# Altium PCB cPCIs_controller.pcbdoc (part 4 of 4)
Units mil, origin at the board's own origin, x right, y up, seen from the top; angles counter-clockwise.
Board outline 8662.94 x 3937.01 mil, 12 copper layers (Top Layer, L2GND, L3, L4GND, L5, L6GND, L7PWR, L8, L9GND, L10, L11GND, Bottom Layer), stack 81.88 mil thick; 84 components, 277 nets, 1195 pads, 138 vias.
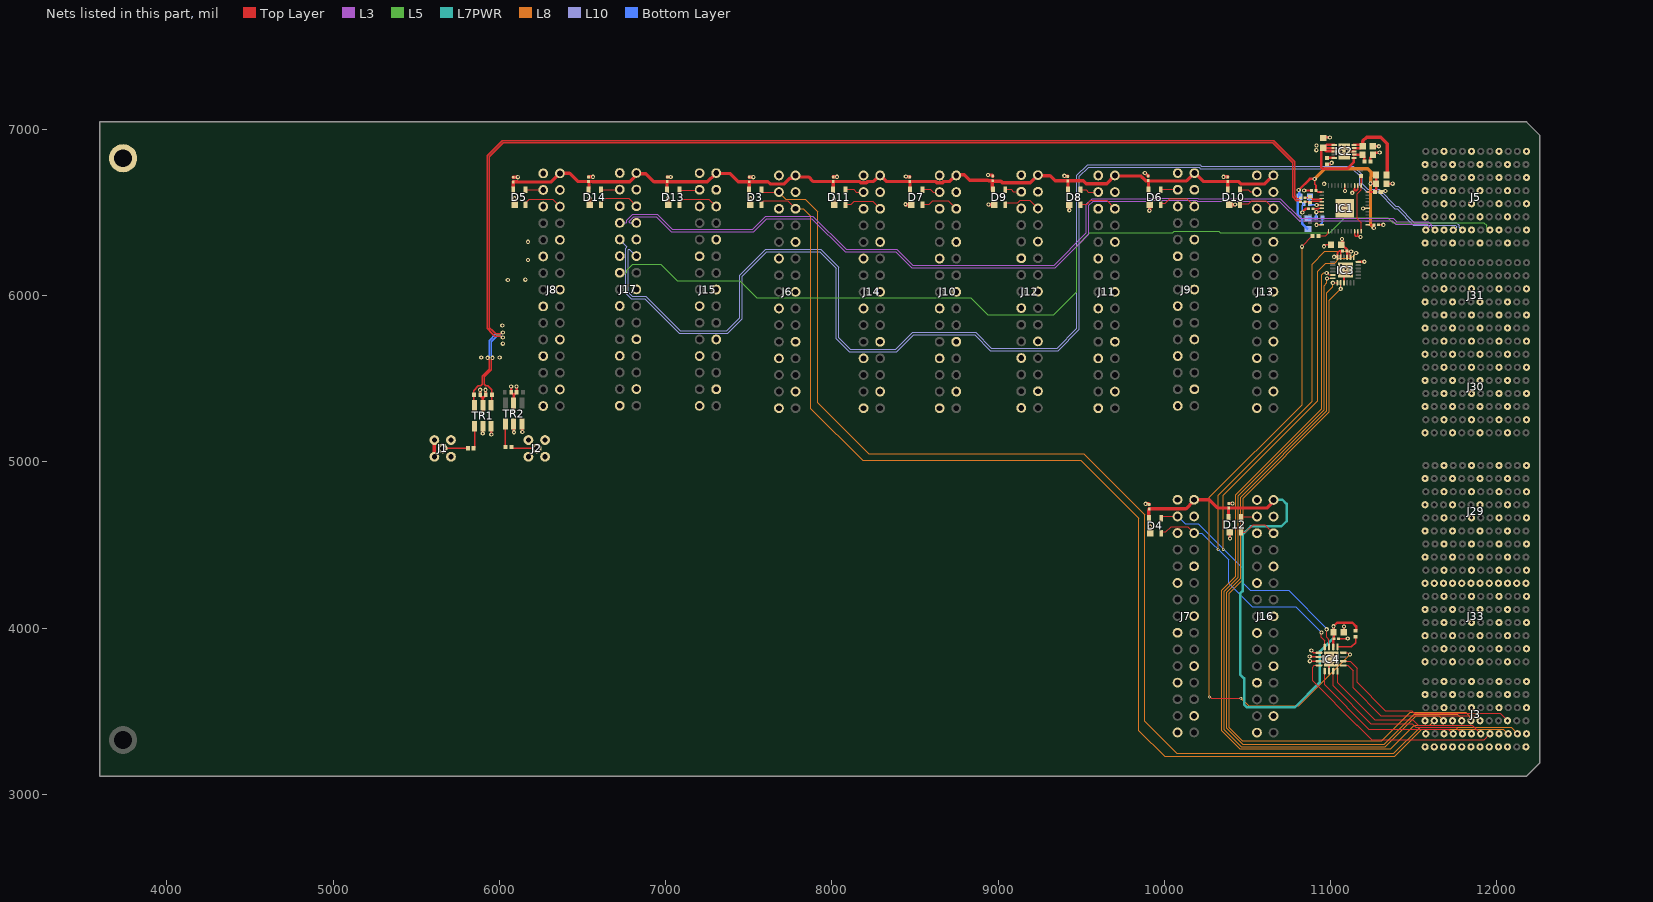
[diagram p14: the nets of this part, all layers, seen from the top]

## Via types
v1: diameter 25.59, hole 11.81, Top Layer to Bottom Layer, tented both sides, 116 vias
v2: diameter 17.72, hole 7.87, Top Layer to Bottom Layer, tented both sides, 18 vias
v3: diameter 19.68, hole 7.87, Top Layer to Bottom Layer, tented both sides, 4 vias

## Nets (pads, with @x,y where several pads share a name; then routed paths per layer and width w, separated by ;. In a path a pad name is that pad's centre, name@x,y a point inside that pad or via, vN(x,y) a via of type N, cw(c..) or ccw(c..) an arc to the next point about the centre after c; other vN are vias at no path point) (continued)
EXT11.LVDS_5_P: J5.E2 J17.17 | length 5838.3
  L5 w5: J17.17@6724,6138 6763.57,6138 6766.5,6140.93 6766.5,6154.08 6802.45,6190.03 6969.97,6190.03 7070,6090 7445,6090 7548,5987 8836,5987 8938,5885 9334,5885 9474,6025 9474,6298.78 9553.22,6378 10050.48,6378 10060.05,6387.57 10328.56,6387.57 10338.13,6378 10994.79,6378 11086.79,6470 11346,6470 11376.18,6439.82 11922.37,6439.82 11939.14,6423.05 11939.14,6412.7 11956.17,6395.67 J5.E2@11959.2,6395.67
EXT11.LVDS_6_N: J5.I2 J17.21 | length 7583.2
  L10 w5: J17.21@6724,6338 6766.63,6295.37 6766.63,6291.23 6759.3,6283.91 6759.3,6267.34 6759.57,6267.07 6759.57,6013.69 6792.79,5980.48 6875.31,5980.48 7083.21,5772.57 7372.79,5772.57 7460,5859.79 7460,6117 7608,6265 7926,6265 8027,6164 8027,5740.79 8104.79,5663 8390,5663 8492,5765 8858.79,5765 8953.79,5670 9361.21,5670 9489,5797.79 9489,6717 9544.57,6772.57 10209.5,6772.57 10217.07,6765 11131,6765 11176,6720 11176,6665.79 11217.79,6624 11287,6624 11387.61,6523.39 11400.39,6523.39 11498.96,6424.82 11750.81,6424.82 11758.79,6416.84 11758.79,6412.7 11741.76,6395.67 J5.I2@11738.73,6395.67
EXT11.LVDS_6_P: J5.H2 J17.20 | length 7570.8
  L10 w5: J17.20@6824,6238 6781.37,6280.63 6777.23,6280.63 6774.3,6277.7 6774.3,6273.55 6774.57,6273.29 6774.57,6019.91 6799,5995.48 6881.52,5995.48 7089.43,5787.57 7366.57,5787.57 7445,5866 7445,6123.21 7601.79,6280 7932.21,6280 8042,6170.21 8042,5747 8111,5678 8383.79,5678 8485.79,5780 8865,5780 8960,5685 9355,5685 9474,5804 9474,6723.21 9538.36,6787.57 10215.71,6787.57 10223.28,6780 11137.21,6780 11191,6726.21 11191,6672 11224,6639 11293.21,6639 11393.82,6538.39 11406.61,6538.39 11505.18,6439.82 11757.02,6439.82 11773.79,6423.05 11773.79,6412.7 11790.82,6395.67 J5.H2@11793.85,6395.67
EXT11.LVDS_7_N: J5.L2 J17.24 | length 5430.6
  L3 w5: J17.24@6824,6438 6784.43,6438 6781.5,6440.93 6781.5,6447.86 6808.66,6475.03 6942.76,6475.03 7033.79,6384 7530,6384 7610,6464 7879.79,6464 8079.79,6264 8385.79,6264 8480.79,6169 9345,6169 9547,6371 9547,6543 9573.15,6569.15 9908.16,6569.15 9911.58,6572.57 10195.73,6572.57 10199.16,6569.15 10692.64,6569.15 10811.79,6450 11371.79,6450 11392.79,6429 11581.27,6429 11593.43,6416.84 11593.43,6412.7 11576.41,6395.67 J5.L2@11573.38,6395.67
EXT11.LVDS_7_P: J5.K2 J17.23 | length 5480.3
  L3 w5: J17.23@6724,6438 6763.57,6438 6766.5,6440.93 6766.5,6454.08 6802.45,6490.03 6948.97,6490.03 7040,6399 7523.79,6399 7603.79,6479 7886,6479 8086,6279 8392,6279 8487,6184 9338.79,6184 9532,6377.21 9532,6549.21 9566.94,6584.15 9901.94,6584.15 9905.36,6587.57 10201.95,6587.57 10205.37,6584.15 10698.85,6584.15 10818,6465 11378,6465 11399,6444 11587.49,6444 11608.43,6423.05 11608.43,6412.7 11625.46,6395.67 J5.K2@11628.49,6395.67
GND: C1.2 C2.1 C3.1 C4.1 C5.1 C6.1 C7.1 C8.1 C10.2 C11.1 C13.2 C30.1 C31.1 C32.1 C33.1 C34.1 C35.1 C36.1 C37.1 C39.1 C40.1 C41.1 C42.1 C55.1 C62.1 C238.1 C239.1 C240.1 D3.1 D4.1 D5.1 D6.1 D7.1 D8.1 D9.1 D10.1 D11.1 D12.1 D13.1 D14.1 IC1.2 IC1.3 IC1.6 IC1.22 IC1.31 IC1.32 IC1.39 IC1.45 IC2.8 IC2.11 IC3.9 IC3.23 IC3.24 IC3.25 IC4.1 IC4.2 IC4.3 IC4.6 IC4.17 J1.2 J2.2 J3.A2 J3.A4 J3.A6 J3.C1 J3.C5 J3.D2 J3.D4 J3.D6 J3.F1 J3.F5 J3.G2 J3.G4 J3.G6 J3.I1 J3.I3 J3.I5 J3.J2 J3.J4 J3.J6 J3.L1 J3.L2 J3.L3 J3.L5 J5.A2 J5.A4 J5.A6 J5.A8 J5.C1 J5.C3 J5.C5 J5.C7 J5.D2 J5.D4 J5.D6 J5.D8 J5.F1 J5.F3 J5.F5 J5.F7 J5.G2 J5.G4 J5.G6 J5.G8 J5.I1 J5.I3 J5.I5 J5.I7 J5.J2 J5.J4 J5.J6 J5.J8 J5.L1 J5.L3 J5.L5 J5.L7 J6.1 J6.4 J6.7 J6.10 J6.13 J6.16 J6.19 J6.22 J6.25 J7.1 J7.4 J7.7 J7.10 J7.13 J7.16 J7.19 J7.22 J7.25 J8.1 J8.4 J8.7 J8.10 J8.13 J8.16 J8.19 J8.22 J8.25 J9.1 J9.4 J9.7 J9.10 J9.13 J9.16 J9.19 J9.22 J9.25 J10.1 J10.4 J10.7 J10.10 J10.13 J10.16 J10.19 J10.22 J10.25 J11.1 J11.4 J11.7 J11.10 J11.13 J11.16 J11.19 J11.22 J11.25 J12.1 J12.4 J12.7 J12.10 J12.13 J12.16 J12.19 J12.22 J12.25 J13.1 J13.4 J13.7 J13.10 J13.13 J13.16 J13.19 J13.22 J13.25 J14.1 J14.4 J14.7 J14.10 J14.13 J14.16 J14.19 J14.22 J14.25 J15.1 J15.4 J15.7 J15.10 J15.13 J15.16 J15.19 J15.22 J15.25 J16.1 J16.4 J16.7 J16.10 J16.13 J16.16 J16.19 J16.22 J16.25 J17.1 J17.4 J17.7 J17.10 J17.13 J17.16 J17.19 J17.22 J17.25 J29.A2 J29.A4 J29.A6 J29.A8 J29.C1 J29.C3 J29.C5 J29.C7 J29.D2 J29.D4 J29.D6 J29.D8 J29.F1 J29.F3 J29.F5 J29.F7 J29.G2 J29.G4 J29.G6 J29.G8 J29.I1 J29.I3 J29.I5 J29.I7 J29.J2 J29.J4 J29.J6 J29.J8 J29.L1 J29.L3 J29.L5 J29.L7 J30.A2 J30.A4 J30.A6 J30.A8 J30.C1 J30.C3 J30.C5 J30.C7 J30.D2 J30.D4 J30.D6 J30.D8 J30.F1 J30.F3 J30.F5 J30.F7 J30.G2 J30.G4 J30.G6 J30.G8 J30.I1 J30.I3 J30.I5 J30.I7 J30.J2 J30.J4 J30.J6 J30.J8 J30.L1 J30.L3 J30.L5 J30.L7 J31.A2 J31.A4 J31.C1 J31.C3 J31.D2 J31.D4 J31.F1 J31.F3 J31.G2 J31.G4 J31.I1 J31.I3 J31.J2 J31.J4 J31.L1 J31.L3 J33.A2 J33.A4 J33.A6 J33.A7 J33.A8 J33.B7 J33.C1 J33.C3 J33.C5 J33.C7 J33.D2 J33.D4 J33.D6 J33.D7 J33.D8 J33.E7 J33.F1 J33.F3 J33.F5 J33.F7 J33.G2 J33.G4 J33.G6 J33.G7 J33.G8 J33.H7 J33.I1 J33.I3 J33.I5 J33.I7 J33.J2 J33.J4 J33.J6 J33.J7 J33.J8 J33.K7 J33.L1 J33.L3 J33.L5 J33.L7 pad.P13@3736.02,6826.77 R1.2 R2.1 R65.2 R86.2 TR1.1 TR1.2 TR1.5 TR2.1 TR2.2 TR2.5 | length 2729.3
  Top Layer w10: v1(10842,6633) C238.1@10885.22,6633 ; v1(10875,3829) 10877.2,3826.8 IC4.2@10931.17,3826.8 ; v1(10876,3801) 10876.2,3801.2 IC4.3@10931.17,3801.2 ; v1(10885,3865) 10897.61,3852.39 IC4.1@10931.17,3852.39 ; v1(10916,6426) 10916.63,6426.63 IC1.22@10948.41,6426.63 ; v1(10961,6297) 10971,6307 C5.1@11002.5,6307 ; v1(11022.1,6234) 11038.56,6234 IC3.24@11041.79,6230.77 ; IC3.24@11041,6237 11042,6238 11042,6258 11053,6269 C4.1@11071.22,6269 ; C6.1@11047.78,3936 11103,3936 v1(11104,3937) ; IC3.23@11061.47,6230.77 11061.47,6267.47 11062,6268 ; IC3.25@11080,6119 11081.16,6117.84 IC3.9@11081.16,6077.23 ; C7.1@11080.5,3975 11081,3975.5 v1(11081,4009.16) ; IC1.6@11086.2,6662.85 11086.2,6630.8 v1(11087,6630) ; v1(11131,6619) 11131,6620 11144,6633 11145,6633 ; IC1.31@11145.26,6387.26 11145.26,6364.74 11153,6357 11177,6357 v1(11181,6353) ; IC1.3@11145.26,6662.85 11145.26,6645.26 11145,6645 11145,6633 ; IC1.32@11164.94,6387.26 11164.94,6361.06 11165,6361 ; IC1.2@11164.94,6662.85 11164.94,6639.94 11158,6633 11145,6633 ; v1(11197,6525) 11197.06,6525.06 IC1.39@11224,6525.06 ; C239.1@11288.78,6427 11288.78,6426 v1(11318,6426) ; C240.1@11302.72,6623 11309.72,6630 v1(11330,6630)
  Top Layer w15: v1(5884.29,5433.64) 5884.29,5399.4 5895.29,5388.4 5905.71,5388.4 ; TR1.5@5899,5334 5899,5381.69 5905.71,5388.4 ; v1@5900,5175.89 TR1.2@5900,5204.6 ; v1@5902,5296.89 TR1.5@5902,5325.6 ; v1(5916.71,5433.64) 5916.71,5399.4 5905.71,5388.4 ; v1@5951.93,5170.89 TR1.1@5951.93,5199.6 ; v1(6071.29,5453.24) C13.2@6071.29,5419 6082.29,5408 C11.1@6092.71,5408 ; TR2.5@6086,5353.6 6086,5401.29 C11.1@6092.71,5408 ; v1@6087,5310.89 TR2.5@6087,5339.6 ; v1@6088,5183.89 TR2.2@6088,5212.6 ; v1(6103.71,5453.24) C11.1@6103.71,5419 C11.1@6092.71,5408 ; v1@6138,5185.89 TR2.1@6138,5214.6 ; C34.1@10387,4749.78 10410.78,4749.78 v1(10411,4750) ; D12.1@10393.87,4576.45 10393.87,4540.13 v1(10395,4539) ; v1@10833,6503 10833,6505 10850,6522 10865.22,6522 C55.1@10867.22,6524 ; C2.1@10957,6949.06 10959.94,6952 v1(10996,6952) ; R2.1@10978,6790.5 10998.5,6790.5 v1(11007,6799) ; IC4.6@10991.2,3741.17 10991.2,3801.2 IC4.17@11004,3814 ; IC2.11@11098,6869 11099,6868 IC2.8@11141.06,6868 ; C1.2@11239.72,6806 11239.72,6830.72 R1.2@11249,6840 ; C3.1@11253.06,6900 11290,6900 v1(11291,6899) ; R1.2@11256.5,6848 11269.5,6861 v1(11296,6861) ; C62.1@11337.5,6673 11373,6673 v1(11374,6674)
  Top Layer w20: J1.2@5609,5031 J1.2@5609,5131 ; J1.2@5618,5138 J1.2@5625,5131 ; J1.2@5706,5121 J1.2@5709,5118 ; J1.2@5711,5136 J1.2@5712,5137 ; C30.1@6084,6712.56 6110.56,6712.56 v1(6111,6713) ; v1(6091,6586) 6091.47,6585.53 D5.1@6091.47,6547.72 ; C35.1@6536,6714.78 6562.78,6714.78 v1(6563,6715) ; v1(6543,6587) 6543.47,6586.53 D14.1@6543.47,6547.72 ; C36.1@7009,6713.78 7030.78,6713.78 v1(7031,6714) ; v1(7015,6587) 7015,6549.47 D13.1@7016.75,6547.72 ; C37.1@7503,6712.78 7527.78,6712.78 v1(7528,6713) ; D3.1@7510.07,6547.72 7510.07,6585.07 v1(7511,6586) ; C39.1@8008,6714.78 8031.78,6714.78 v1(8032,6715) ; v1(8013,6583) 8013,6550.47 D11.1@8015.75,6547.72 ; v1(8443,6550) 8445.28,6547.72 D7.1@8477.75,6547.72 ; v1(8445,6717) 8447.22,6714.78 C40.1@8470,6714.78 ; v1(8939,6726) 8961.78,6726 C41.1@8969,6718.78 ; v1(8942,6548) 8942.28,6547.72 D9.1@8976.47,6547.72 ; v1(9399,6721) 9402.22,6717.78 C42.1@9420,6717.78 ; D8.1@9428.47,6547.72 9429,6547.2 v1(9429,6514) ; v1(9883,6738) 9884.78,6738 C31.1@9903,6719.78 ; v1(9888,4748) 9905.78,4748 C33.1@9909,4744.78 ; v1(9910,6511) 9912.07,6513.07 D6.1@9912.07,6547.72 ; v1(9915,4612) 9915.07,4611.93 D4.1@9915.07,4571 ; v1(10357,6715) 10357.22,6714.78 C32.1@10383,6714.78 ; D10.1@10390.07,6547.72 10426.72,6547.72 v1(10427,6548)
  Bottom Layer w10: v1(10831,6501) 10831,6543 10839,6551 R65.2@10839,6552 ; v1(10916,6426) 10937,6426 10950,6439 R86.2@10950,6460
  other v1: 11025,3787 10976.78,3839.25 11026,3840 5951.93,5165.36 5900,5170.36 6088,5178.36 6138,5180.36 5902,5291.36 6087,5305.36 5891,5628 6002.17,5628 6021,5711 6018,5820 6050.74,6094 6156,6096 11121.1,6126 11091.1,6159 11063.1,6184 6173,6214 6173,6324 10962,6673 11067,6868 11097,6869 11067,6899 11098,6899
  other v3: 11064.55,6503.4 11107.86,6503.4 11064.55,6546.71 11107.86,6546.71
I2C_SCL_0: D3.3 J3.B2 J6.27 | length 7439.5
  Top Layer w6: D3.3@7577,6638.28 7577,6631 7585,6623 J6.27@7682,6623
  L8 w6: J6.27@7682,6623 7724,6581 7839,6581 7915,6505 7915,5357 8222,5050 9515,5050 9882,4683 9882,3440 10076,3246 11382,3246 11540,3404 11630.6,3404 11632.06,3402.54 12086.19,3402.54 J3.B2@12124.56,3364.17
I2C_SCL_1: D4.3 IC3.19 IC4.15 J7.27 | length 3650.7
  Top Layer w5: IC3.19@11140.21,6230.77 11140.21,6241.21 v1(11155,6256)
  Top Layer w6: D4.3@9986,4664 9994,4672 J7.27@10080,4672 ; v1(10977,3993) 10977,3944 10991.2,3929.8 IC4.15@10991.2,3886.83
  L8 w5: v2(10355,4474) 10355,4799 10924,5368 10924,6147 10972,6195 11025,6195 11054,6224 11123,6224 v1(11155,6256)
  Bottom Layer w6: J7.27@10080,4672 10125,4627 10204,4627 10475,4356 10475,4270 10518,4227 10748,4227 v1@10976,3999
I2C_SCL_2: D5.3 J8.27 | length 100.4
  Top Layer w6: D5.3@6164,6637 6165,6636 J8.27@6264,6636
I2C_SCL_3: D6.3 J9.27 | length 98.8
  Top Layer w6: D6.3@9983,6639 10079,6639 J9.27@10081,6637
I2C_SCL_4: D7.3 J10.27 | length 105
  Top Layer w6: D7.3@8551,6640 8593,6640 8610,6623 J10.27@8649,6623
I2C_SCL_5: D8.3 J11.27 | length 110.8
  Top Layer w6: D8.3@9498,6637 9530,6637 9544,6623 J11.27@9603,6623
I2C_SCL_6: D9.3 J12.27 | length 107
  Top Layer w6: D9.3@9040,6636 9043,6639 9079,6639 9093,6625 J12.27@9140,6625
I2C_SCL_7: D10.3 J13.27 | length 105.8
  Top Layer w6: D10.3@10457,6638 10504,6638 10518,6624 J13.27@10557,6624
I2C_SCL_8: D11.3 J14.27 | length 105.6
  Top Layer w6: D11.3@8092,6639 8131,6639 8147,6623 J14.27@8191,6623
I2C_SCL_9: D13.3 J15.27 | length 122.8
  Top Layer w6: D13.3@7083,6635 7203,6635 J15.27@7205,6637
I2C_SCL_10: D12.3 J16.27 | length 102
  Top Layer w6: D12.3@10456,4671 J16.27@10558,4671
I2C_SCL_11: D14.3 J17.27 | length 111
  Top Layer w6: D14.3@6613,6638 J17.27@6724,6638
I2C_SDA_0: D3.2 J3.C2 J6.26 | length 7397.3
  Top Layer w6: D3.2@7577,6547.72 7577,6557 7591,6571 7734,6571 J6.26@7782,6523
  L8 w6: J6.26@7782,6523 7828,6523 7873,6478 7873,5321 8185,5009 9499,5009 9848,4660 9848,3383.33 10002.33,3229 11386,3229 11550,3393 12040.61,3393 J3.C2@12069.44,3364.17
I2C_SDA_1: D4.2 IC3.20 IC4.16 J7.26 | length 3666.7
  Top Layer w5: v1(10946,3974) 10946,3944 10965.61,3924.39 IC4.16@10965.61,3886.83 ; IC3.20@11120.53,6230.77 11120.53,6264.53 11122,6266 11123.98,6266 v1(11124.67,6266.02)
  Top Layer w6: D4.2@9990,4579 10010,4579 10042,4611 10141,4611 J7.26@10180,4572
  L8 w5: v2(10324,4474) 10324,4799 10889,5364 10889,6189 10966.02,6266.02 v1(11124.67,6266.02)
  Bottom Layer w6: J7.26@10180,4572 10227,4572 10387,4412 10387,4270 10528,4129 10791,4129 v1(10946,3974)
I2C_SDA_2: D5.2 J8.26 | length 225.4
  Top Layer w6: D5.2@6163,6563 6179,6579 6321,6579 J8.26@6364,6536
I2C_SDA_3: D6.2 J9.26 | length 231.4
  Top Layer w6: D6.2@9979,6556 10006,6556 10032,6582 10136,6582 J9.26@10181,6537
I2C_SDA_4: D7.2 J10.26 | length 227.2
  Top Layer w6: D7.2@8550,6549 8586,6549 8607,6570 8702,6570 J10.26@8749,6523
I2C_SDA_5: D8.2 J11.26 | length 239.1
  Top Layer w6: D8.2@9495,6554 9498,6551 9536,6551 9558,6573 9653,6573 J11.26@9703,6523
I2C_SDA_6: D9.2 J12.26 | length 223.4
  Top Layer w6: D9.2@9046,6552 9052,6558 9118,6558 9134,6574 9191,6574 J12.26@9240,6525
I2C_SDA_7: D10.2 J13.26 | length 226.3
  Top Layer w6: D10.2@10458,6552 10507,6552 10526,6571 10610,6571 J13.26@10657,6524
I2C_SDA_8: D11.2 J14.26 | length 230.5
  Top Layer w6: D11.2@8087,6551 8117,6551 8135,6569 8245,6569 J14.26@8291,6523
I2C_SDA_9: D13.2 J15.26 | length 245.5
  Top Layer w6: D13.2@7086,6561 7106,6581 7261,6581 J15.26@7305,6537
I2C_SDA_10: D12.2 J16.26 | length 232.6
  Top Layer w6: D12.2@10466,4577 10488,4577 10534,4623 10606,4623 J16.26@10658,4571
I2C_SDA_11: D14.2 J17.26 | length 242.7
  Top Layer w6: D14.2@6612,6558 6639,6585 6777,6585 J17.26@6824,6538
IN_SEL: IC4.12 R154.1 | length 4070.8
  Top Layer w5: v2(10272,3586) 10275.44,3586 10283.44,3578 v2(10461,3578) ; v1(10829,6295) 10829,6297.5 R154.1@10891.5,6360 ; IC4.12@11076.83,3852.39 11105.44,3852.39 v1(11117,3840.83)
  L8 w5: v2(10272,3586) 10272,4786 10829,5343 v1(10829,6295) ; v2(10461,3578) 10507,3532 10808.17,3532 v1(11117,3840.83)
Main_DCXO_C_N: C10.1 C21.1 TR1.4 | length 6858.7
  Top Layer w8: TR1.4@5845.71,5345 C10.1@5845.71,5407.11 ; C10.1@5845.71,5399 5845.71,5428.71 5874,5457 5887,5457 5896,5466 5896,5516.38 5937.93,5558.32 5937.93,5613.17 5929.87,5621.24 v1(5929.87,5626) ; v1(6021,5778) 6016.24,5778 6008.17,5769.93 5978.07,5769.93 5959,5789 5940,5808 5940,6836 6024,6920 10652.1,6920 10772.1,6800 10772.1,6594.52 10795.62,6571 10814.22,6571 C21.1@10820.22,6565
  Bottom Layer w8: v1(5929.87,5626) 5929.87,5630.76 5937.93,5638.83 5937.93,5729.32 5978.55,5769.93 6008.17,5769.93 6016.24,5778 v1(6021,5778)
Main_DCXO_C_P: C8.2 C14.1 TR1.6 | length 6875.6
  Top Layer w8: TR1.6@5955.29,5348 C8.2@5955.29,5407.11 ; C8.2@5955.29,5399 5955.29,5432.71 5931,5457 5918,5457 5909,5466 5909,5511 5950.93,5552.93 5950.93,5613.17 5959,5621.24 v1(5959,5626) ; v1(6021,5748.87) 6016.24,5748.87 6008.17,5756.93 5972.68,5756.93 5958.12,5771.49 5927,5802.62 5927,6841.38 6018.62,6933 10657.48,6933 10785.1,6805.38 10785.1,6599.9 10801,6584 10814.22,6584 C14.1@10820.22,6590
  Bottom Layer w8: v1(5959,5626) 5959,5630.76 5950.93,5638.83 5950.93,5723.93 5983.93,5756.93 6008.17,5756.93 6016.24,5748.87 v1(6021,5748.87)
Main_DCXO_N: C21.2 IC1.15 R6.2 | length 108.5
  Top Layer w8: C21.2@10847.78,6565 10871.5,6565 R6.2@10878,6558.5 10887.27,6567.77 10945.07,6567.77 IC1.15@10948.41,6564.43
Main_DCXO_P: C14.2 IC1.14 R6.1 | length 110.4
  Top Layer w8: C14.2@10847.78,6590 10872.5,6590 R6.1@10878,6595.5 10892.74,6580.77 10945.07,6580.77 IC1.14@10948.41,6584.11
NetC1_1: C1.1 IC2.7 R1.1 | length 89.7
  Top Layer w15: IC2.7@11141.06,6848.31 11141.37,6848 R1.1@11191,6848 ; R1.1@11198,6843 11204.28,6836.72 C1.1@11204.28,6806
NetC9_1: C9.1 J1.1 | length 151.7
  Top Layer w8: J1.1@5659,5081 5809.29,5081 C9.1@5810.28,5082
NetC9_2: C9.2 TR1.3 | length 135.2
  Top Layer w8: C9.2@5845.72,5082 5851,5087.28 TR1.3@5851,5215
NetC12_1: C12.1 J2.1 | length 157
  Top Layer w8: C12.1@6071.72,5090 6079.92,5081.8 6224.21,5081.8 J2.1@6225,5081
NetC12_2: C12.2 TR2.3 | length 138.5
  Top Layer w8: TR2.3@6036,5228.4 6036,5090.28 C12.2@6036.28,5090
NetC55_2: C55.2 IC1.17 | length 56.1
  Top Layer w10: C55.2@10893,6524 10893.34,6523.66 10925.84,6523.66 10927.23,6525.06 IC1.17@10948.41,6525.06
NetIC1_1: IC1.1 IC1.33 R155.2 | length 349.6
  Top Layer w5: IC1.33@11184.63,6387.26 11184.63,6437.37 11160,6462 11160,6613 11185,6638 IC1.1@11185,6659
  Top Layer w10: IC1.1@11184.63,6662.85 11184.63,6719.63 R155.2@11185,6720
NetIC1_16: IC1.16 R65.1 R103.2 | length 113.6
  Top Layer w10: v1(10917,6545) 10917.26,6544.74 IC1.16@10948.41,6544.74
  Bottom Layer w10: R103.2@10874,6592 10874,6554.01 R65.1@10876.01,6552 ; R65.1@10877,6548 10914,6548 v1(10917,6545)
NetIC1_18: IC1.18 R66.2 R86.1 | length 120.9
  Top Layer w10: v1(10914.95,6502.25) 10917.01,6504.31 10947.35,6504.31 IC1.18@10948.41,6505.37
  Bottom Layer w10: R66.2@10865,6464.5 10914.5,6464.5 R86.1@10916.75,6466.75 ; R86.1@10914.5,6469 10914.5,6497.5 10914.95,6497.96 v1(10914.95,6502.25)
NetIC1_23: IC1.23 R154.2 | length 77.3
  Top Layer w5: R154.2@10928.5,6360 10971.94,6360 10987.78,6375.83 IC1.23@10987.78,6387.26
NetIC2_5: IC2.5 R2.2 | length 45.6
  Top Layer w15: R2.2@10978,6827 10979.63,6828.63 IC2.5@11022.94,6828.63
NetIC4_13: IC4.13 R3.2 | length 150.5
  Top Layer w8: IC4.13@11042.39,3886.83 11124.83,3886.83 11151,3913 R3.2@11151,3944
P1V8: C3.2 IC2.9 IC2.10 L20.2 | length 483.3
  Top Layer w15: IC2.9@11141.06,6887.69 11183.68,6887.69 C3.2@11185,6889 ; IC2.10@11141.06,6907.37 11189.63,6907.37 C3.2@11190,6907
  Top Layer w20: C3.2@11194,6900 11194,6931 11217,6954 11303,6954 11342,6915 L20.2@11342,6730
P1V8_CLK_Si: C62.2 C238.2 C239.2 C240.2 IC1.12 IC1.34 IC1.44 L20.1 R66.1 R103.1 | length 1427.6
  Top Layer w10: v1@10905,6701 10905,6671 10912.78,6663.22 C238.2@10912.78,6633 ; C238.2@10916,6631 10923.52,6623.48 IC1.12@10948.41,6623.48 ; IC1.34@11224,6426.63 C239.2@11260.63,6426.63 ; IC1.44@11224,6623.48 C240.2@11263.48,6623.48 ; v1(11261,6407) 11261.22,6407.22 C239.2@11261.22,6427
  Top Layer w15: v1(10809,6636) 10876,6703 v1@10902,6703 ; v1(11241,6674) 11242,6673 C62.2@11274.5,6673 11274.5,6632.5 C240.2@11270,6628 ; L20.1@11274.5,6726 11274.5,6683.5 C62.2@11280,6678
  L8 w20: v1(10905,6702) 10967,6764 11224,6764 11246.31,6741.69 11246.31,6717.41 11242.07,6713.16 11242.07,6675.07 v1(11241,6674) 11240.66,6673.66 11240.66,6428.85 11261,6408.51 v1(11261,6407)
  Bottom Layer w15: R103.1@10808,6586 10804,6582 10804,6486 10830,6460 10830,6433 R66.1@10861,6402 ; v1(10809,6636) 10813.5,6631.5 R103.1@10813.5,6596
P3V3: C2.2 C4.2 C5.2 C6.2 C7.2 C30.2 C31.2 C32.2 C33.2 C34.2 C35.2 C36.2 C37.2 C39.2 C40.2 C41.2 C42.2 D3.4 D4.4 D5.4 D6.4 D7.4 D8.4 D9.4 D10.4 D11.4 D12.4 D13.4 D14.4 IC2.1 IC2.2 IC2.3 IC2.6 IC3.18 IC3.21 IC4.14 J6.30 J7.30 J8.30 J9.30 J10.30 J11.30 J12.30 J13.30 J14.30 J15.30 J16.30 J17.30 R3.1 | length 9632.8
  Top Layer w15: C2.2@10948,6883 10944,6879 10944,6771 10952,6763 11099,6763 11141.06,6805.06 IC2.6@11141.06,6828.63 ; C2.2@10964,6886 10965.68,6887.69 IC2.2@11022.94,6887.69 ; C2.2@10967,6876 10975,6868 IC2.3@11022.94,6868 ; C2.2@10969,6899 10977.37,6907.37 IC2.1@11022.94,6907.37 ; IC4.14@11016.8,3886.83 11016.8,3935.8 C6.2@11018,3937 ; C7.2@11017.5,3975 11019,3976.5 v1(11019,4011) 11041,4033 11131,4033 11154,4010 R3.1@11154,3989 ; C7.2@11019,3968 11020.22,3966.78 C6.2@11020.22,3936 ; C5.2@11065.5,6307 11076,6317.5 11070,6323.5 v1(11070,6341) ; C5.2@11077,6300 11098.78,6278.22 C4.2@11098.78,6269 ; C4.2@11100,6266 11100.84,6265.16 IC3.21@11100.84,6230.77 ; IC3.18@11167.77,6203.21 11203.21,6203.21 v1(11204,6204)
  Top Layer w20: D5.4@6082,6653 6084,6655 C30.2@6084,6685 6107.79,6685 6108.85,6683.95 6311.95,6683.95 J8.30@6360,6732 ; J8.30@6364,6736 6422,6736 6471,6687 C35.2@6536.22,6687 ; D14.4@6539,6643 6539,6684.22 C35.2@6536.22,6687 ; 6560.77,6685.95 6783.95,6685.95 J17.30@6829,6731 ; 6569,6687 C35.2@6536.22,6687 ; J17.30@6836,6734 6882,6734 6929.78,6686.22 C36.2@7009,6686.22 ; D13.4@7009,6642 C36.2@7009,6686.22 ; J15.30@7298,6731 7252,6685 7165,6685 7164.05,6685.95 7009.48,6685.95 7009.21,6686.22 C36.2@7009,6686.22 ; J15.30@7309,6735 7387,6735 7436.78,6685.22 C37.2@7503,6685.22 ; D3.4@7503,6643 C37.2@7503,6685.22 ; J6.30@7777,6707 7748,6707 7713,6672 7629,6672 7615.78,6685.22 C37.2@7503,6685.22 ; J6.30@7785,6727 7798,6714 7860,6714 7886.78,6687.22 C39.2@8008,6687.22 ; D11.4@8008,6641 C39.2@8008,6687.22 ; J14.30@8280,6716 8250.94,6686.94 8215.85,6686.94 8208.84,6679.93 8173.16,6679.93 8166.15,6686.94 8009.49,6686.94 8009.2,6687.22 C39.2@8008,6687.22 ; J14.30@8299,6715 8326.78,6687.22 C40.2@8470,6687.22 ; D7.4@8472,6643 8470,6645 C40.2@8470,6687.22 ; J10.30@8737,6714 8710.22,6687.22 8674.13,6687.22 8666.84,6679.93 8631.16,6679.93 8623.87,6687.22 C40.2@8470,6687.22 ; J10.30@8748,6728 8796,6728 8829,6695 8940,6695 8943.78,6691.22 C41.2@8969,6691.22 8966,6688.22 D9.4@8966,6638 ; C41.2@8969,6688 9018,6688 9026,6680 9195,6680 J12.30@9240,6725 ; J12.30@9268,6722 9313,6722 9342.96,6692.04 9395.78,6692.04 9396.85,6690.97 9419.25,6690.97 C42.2@9420,6690.22 ; C42.2@9417,6691 9513,6691 9530,6674 9654,6674 J11.30@9703,6723 ; C42.2@9420,6689 9420.6,6688.4 D8.4@9420.6,6638.28 ; J11.30@9710,6720 9858,6720 9869,6709 9870.51,6709 9887.29,6692.22 C31.2@9903,6692.22 9905,6690.22 C31.2@9905,6690 ; C31.2@9903,6690 C31.2@9905,6690 ; D6.4@9905,6641 C31.2@9905,6690 ; D4.4@9907.2,4661.55 9907.2,4710.2 C33.2@9908,4711 ; C33.2@9909,4717.22 10131.22,4717.22 J7.30@10176,4762 ; J7.30@10180,4772 10271,4772 10320,4723 10400,4723 ; J9.30@10181,6737 10134,6690 C31.2@9905,6690 ; J9.30@10190,6732 10235,6687 C32.2@10383,6687 ; D10.4@10382.2,6638.28 10382.2,6686.2 C32.2@10383,6687 ; D12.4@10388,4665 10387,4666 C34.2@10387,4722.22 10617.22,4722.22 J16.30@10655,4760 ; J13.30@10657,6724 10605,6672 10461,6672 10446,6687 C32.2@10383,6687
  L7PWR w15: J16.30@10649.57,4762.57 J16.30@10658,4771 10659,4772 10711.22,4772 10735.7,4747.52 10735.7,4642.89 10705.35,4612.53 10520.8,4612.53 10472,4563.73 10472,4222.98 10457,4207.98 10457,3722 10481,3698 10481,3539.74 10497.74,3523 10785.02,3523 10937,3674.98 10937,3859.55 11019,3941.55 v1(11019,4011)
  other v1: 10915,6875 10916,6904
P12V0: J3.A1 J3.D1 J3.E1 J3.G1 J3.H1 J3.J1 J3.K1 J6.28 J6.29 J7.28 J7.29 J8.28 J8.29 J9.28 J9.29 J10.28 J10.29 J11.28 J11.29 J12.28 J12.29 J13.28 J13.29 J14.28 J14.29 J15.28 J15.29 J16.28 J16.29 J17.28 J17.29
PRST#: IC4.7 J3.H2 | length 985.3
  Top Layer w5: IC4.7@11016.8,3741.17 11016.8,3652.2 11243.5,3425.5 11491.5,3425.5 11513,3404 11754.02,3404 J3.H2@11793.85,3364.17
PS_ON#: IC4.4 J3.E2 | length 1355.6
  Top Layer w5: IC4.4@10931.17,3775.61 10903.61,3775.61 10892,3764 10892,3684 11159,3417 11160,3417 ; 11158,3419 11160,3417 ; J3.E2@11959.2,3364.17 11924.03,3329 11248,3329 11160,3417
PWR_FAIL#: IC4.9 J3.F3 | length 1020.9
  Top Layer w5: IC4.9@11076.83,3775.61 11104.39,3775.61 11137,3743 11137,3641 11304,3474 11869.06,3474 J3.F3@11900.15,3442.91
PWRBTN#: IC4.10 J3.C3 | length 1188
  Top Layer w5: IC4.10@11076.83,3801.2 11118.8,3801.2 11160,3760 11160,3673 11329,3504 11489,3504 11505,3488 12020.41,3488 J3.C3@12065.5,3442.91
RST#: IC4.8 J3.F2 | length 1058.6
  Top Layer w5: IC4.8@11042.39,3741.17 11042.39,3671.61 11266,3448 11496,3448 11529,3415 11853.26,3415 J3.F2@11904.08,3364.17
SATA_SCL: IC3.6 J3.J3 | length 4456.9
  Top Layer w5: v1(10979,6104) 10979.79,6104.79 IC3.6@11014.23,6104.79
  L8 w5: v1(10979,6104) 10979,6077 10963,6061 10963,5312.79 10445,4794.79 10445,4306.79 10360,4221.79 10360,3389.57 10463.57,3286 11329,3286 11516,3473 11652,3473 J3.J3@11679,3446
SATA_SDI: IC3.8 J3.G3 | length 4538.5
  Top Layer w5: IC3.8@11061.47,6077.23 11061.47,6041.53 v1(11062,6041)
  L8 w5: v1(11062,6041) 10993,5972 10993,5300.36 10475,4782.36 10475,4294.36 10390,4209.36 10390,3402 10469,3323 11308,3323 11478.96,3493.96 11584.85,3493.96 11584.89,3494 11616.98,3494 11617.02,3493.96 11639.97,3493.96 11640.01,3494 11672.1,3494 11672.14,3493.96 11695.08,3493.96 11695.13,3494 11727.21,3494 11727.26,3493.96 11750.2,3493.96 11750.25,3494 11782.33,3494 11782.38,3493.96 11805.32,3493.96 11805.36,3494 11813,3494 11842,3465 J3.G3@11842,3448
SATA_SDO: IC3.7 J3.H3 | length 4530.3
  Top Layer w5: v1(11014,6077) 11041.56,6077 IC3.7@11041.79,6077.23
  L8 w5: v1(11014,6077) 11014,6054 10979,6019 10979,5306.16 10461,4788.16 10461,4300.16 10376,4215.16 10376,3396.2 10472.2,3300 11323,3300 11505,3482 11763,3482 J3.H3@11802,3443
SATA_SL: IC3.5 J3.K3 | length 4464
  Top Layer w5: v1(10977,6137) 10989.53,6124.47 IC3.5@11014.23,6124.47
  L8 w5: v1(10977,6137) 10959,6137 10948,6126 10948,5319 10430,4801 10430,4313 10345,4228 10345,3383.36 10455.36,3273 11363,3273 11505.22,3415.22 11596.86,3415.22 J3.K3@11624.56,3442.91
WAKE_IN#: IC4.5 J3.I2 | length 977.8
  Top Layer w5: IC4.5@10965.61,3741.17 10965.61,3658.39 11231,3393 11709.9,3393 J3.I2@11738.73,3364.17
pads on no net: IC1.11 IC1.13 IC1.21 IC1.24 IC1.25 IC1.26 IC1.27 IC1.28 IC2.4 IC3.1 IC3.2 IC3.3 IC3.4 IC3.22 J3.A3 J3.B1 J3.B3 J3.B4 J3.C4 J3.D3 J3.E3 J3.E4 J3.F4 J3.H4 J3.I4 J3.K2 J3.K4 J3.L4 J5.A1 J5.A7 J5.B1 J5.B6 J5.B7 J5.B8 J5.C6 J5.C8 J5.D1 J5.D7 J5.E1 J5.E6 J5.E7 J5.E8 J5.F6 J5.F8 J5.G1 J5.G7 J5.H1 J5.H6 J5.H7 J5.H8 J5.I6 J5.I8 J5.J1 J5.J7 J5.K1 J5.K6 J5.K7 J5.K8 J5.L6 J5.L8 J29.A1 J29.A5 J29.B1 J29.B4 J29.B5 J29.B8 J29.C4 J29.C8 J29.D1 J29.D5 J29.E1 J29.E4 J29.E5 J29.E8 J29.F4 J29.F8 J29.G1 J29.G7 J29.H1 J29.H4 J29.H7 J29.H8 J29.I4 J29.I8 J29.J1 J29.J7 J29.K1 J29.K4 J29.K7 J29.K8 J29.L4 J29.L8 J33.A1 J33.A5 J33.B1 J33.B2 J33.B5 J33.B6 J33.B8 J33.C2 J33.C6 J33.C8 J33.D1 J33.D5 J33.E1 J33.E2 J33.E5 J33.E6 J33.E8 J33.F2 J33.F6 J33.F8 J33.G1 J33.G5 J33.H1 J33.H2 J33.H5 J33.H6 J33.H8 J33.I2 J33.I6 J33.I8 J33.J1 J33.J5 J33.K1 J33.K2 J33.K5 J33.K6 J33.K8 J33.L2 J33.L6 J33.L8

## Polygon pours and split planes (outlines as drawn)
GND on Bottom Layer "GND_L12_P214" (solid, remove dead copper, pour order 214): 11548.23,5183.07 11548.23,4949.8 12248.03,4949.8 12248.03,5183.07
no net on Bottom Layer "esd1" (solid, remove dead copper, pour order 211): 12159.78,3147.64 12160.44,3147.64 12219.5,3206.69 10666.34,3206.69 10666.34,3147.64
no net on Bottom Layer "esd1" (solid, remove dead copper, pour order 209): 3605.32,3386.81 3885.83,3386.81 3885.83,3208.66 5170.28,3208.66 5170.28,3149.61 3605.31,3149.61
GND on Top Layer "GND_L01_P213" (solid, remove dead copper, pour order 213): 11548.23,5183.07 11548.23,4949.8 12248.03,4949.8 12248.03,5183.07
no net on Top Layer "esd1" (solid, remove dead copper, pour order 203): 12159.78,3147.64 12160.44,3147.64 12219.5,3206.69 10666.34,3206.69 10666.34,3147.64
no net on Top Layer "esd1" (solid, remove dead copper, pour order 207): 6860.56,3147.64 10469.49,3147.64 10469.49,3206.69 5367.13,3206.69 5367.13,3147.64
no net on Top Layer "esd1" (solid, remove dead copper, pour order 201): 3605.32,3386.81 3885.83,3386.81 3885.83,3208.66 5170.28,3208.66 5170.28,3149.61 3605.31,3149.61
no net on Mechanical 9 "Panelisation" (hatched 45Degree grid 100 track 3.94, pour order 189): 2910.43,3014.17 12952.76,3014.18 12952.76,2423.62 2910.43,2423.62
no net on Mechanical 9 "Panelisation" (hatched 45Degree grid 100 track 3.94): 2910.47,7140.16 12950.39,7140.16 12950.39,7730.71 2910.47,7730.71
P12V0 on L7PWR "L7PWR-P12V0" (solid, remove dead copper, pour order 191): 10461,4571 10509.76,4619.76 10699.13,4619.76 10713.77,4634.4 10713.77,4716.52 10708.66,4721.63 10647.89,4721.63 10468.23,4901.29 10468.23,4931.1 10468.23,5028.42 10708.66,5268.86 10708.66,6621.23 10530.89,6799 10327.46,6799 10228.06,6699.59 10163.64,6699.59 10071.89,6791.34 9861.5,6791.34 9744.09,6673.93 9702.52,6673.93 9585.11,6791.34 9397.34,6791.34 9279.94,6673.93 9217.18,6673.93 9099.77,6791.34 8897.64,6791.34 8792.89,6686.59 8735.28,6686.59 8630.53,6791.34 8445.47,6791.34 8340.72,6686.59 8281.16,6686.59 8176.41,6791.34 7914.34,6791.34 7809.59,6686.59 7772.16,6686.59 7667.41,6791.34 7466.76,6791.34 7366.44,6691.02 7314.88,6691.02 7214.56,6791.34 6951.77,6791.34 6862.02,6701.59 6797.34,6701.59 6707.59,6791.34 6495.08,6791.34 6403.33,6699.59 6354.16,6699.59 6262.41,6791.34 3622.05,6791.34 3622.05,3129.92 12165.35,3129.92 12244.09,3208.66 12244.09,3901.09 11340.36,3901.09 10766.04,3326.77 10557,3326.77 10461,3422.77
GND on L7PWR "L7PWR-GND" (solid, remove dead copper, pour order 189): 10765.39,3334 11400.61,3969.22 12244.09,3969.22 12244.09,6069.34 11141.75,6069.34 11043.31,5970.89 11043.31,4857.15 10738.69,4552.53 10530.01,4552.53 10481,4503.53 10481,3402.77 10549.77,3334
P3V3 on L7PWR "P3V3_L07_P216" (solid, remove dead copper, pour order 216): 3622.05,7027.56 12165.35,7027.56 12244.09,6948.82 12244.09,3208.66 12165.35,3129.92 3622.05,3129.92
GND on L2GND (split plane): 12238.63,6958.35 12238.63,3195.19 12171.49,3128.05 3615.25,3128.05 3615.25,3439.22 4154,3439.22 4157.86,3439.6 4161.57,3440.73 4164.99,3442.55 4167.99,3445.01 4170.45,3448.01 4172.27,3451.43 4173.4,3455.14 4173.78,3459 4173.78,3900 4173.4,3903.86 4172.27,3907.57 4170.45,3910.99 4167.99,3913.99 4164.99,3916.45 4161.57,3918.27 4157.86,3919.4 4154,3919.78 3615.25,3919.78 3615.25,5481.22 5840,5481.22 5843.86,5481.6 5847.57,5482.73 5850.99,5484.55 5853.99,5487.01 5865.99,5499.01 5868.45,5502.01 5870.27,5505.43 5871.4,5509.14 5871.78,5513 5871.78,6650 5871.4,6653.86 5870.27,6657.57 5868.45,6660.99 5865.99,6663.99 5855.99,6673.99 5852.99,6676.45 5849.57,6678.27 5845.86,6679.4 5842,6679.78 3615.25,6679.78 3615.25,7025.5 12171.49,7025.5
GND on L4GND (split plane): 12238.63,6958.35 12238.63,3195.19 12171.49,3128.05 3615.25,3128.05 3615.25,3439.22 4154,3439.22 4157.86,3439.6 4161.57,3440.73 4164.99,3442.55 4167.99,3445.01 4170.45,3448.01 4172.27,3451.43 4173.4,3455.14 4173.78,3459 4173.78,3900 4173.4,3903.86 4172.27,3907.57 4170.45,3910.99 4167.99,3913.99 4164.99,3916.45 4161.57,3918.27 4157.86,3919.4 4154,3919.78 3615.25,3919.78 3615.25,5481.22 5840,5481.22 5843.86,5481.6 5847.57,5482.73 5850.99,5484.55 5853.99,5487.01 5865.99,5499.01 5868.45,5502.01 5870.27,5505.43 5871.4,5509.14 5871.78,5513 5871.78,6650 5871.4,6653.86 5870.27,6657.57 5868.45,6660.99 5865.99,6663.99 5855.99,6673.99 5852.99,6676.45 5849.57,6678.27 5845.86,6679.4 5842,6679.78 3615.25,6679.78 3615.25,7025.5 12171.49,7025.5
GND on L6GND (split plane): 12238.32,6958.22 12238.32,3195.32 12171.36,3128.36 3615.57,3128.36 3615.57,3438.9 4154,3438.9 4157.92,3439.29 4161.69,3440.43 4165.17,3442.29 4168.21,3444.79 4170.71,3447.83 4172.57,3451.31 4173.71,3455.08 4174.1,3459 4174.1,3900 4173.71,3903.92 4172.57,3907.69 4170.71,3911.17 4168.21,3914.21 4165.17,3916.71 4161.69,3918.57 4157.92,3919.71 4154,3920.1 3615.57,3920.1 3615.57,5480.9 5840,5480.9 5843.92,5481.29 5847.69,5482.43 5851.17,5484.29 5854.21,5486.79 5866.21,5498.79 5868.71,5501.83 5870.57,5505.31 5871.71,5509.08 5872.1,5513 5872.1,6650 5871.71,6653.92 5870.57,6657.69 5868.71,6661.17 5866.21,6664.21 5856.21,6674.21 5853.17,6676.71 5849.69,6678.57 5845.92,6679.71 5842,6680.1 3615.57,6680.1 3615.57,7025.18 12171.36,7025.18
GND on L9GND (split plane): 12238.63,6958.35 12238.63,3195.19 12171.49,3128.05 3615.25,3128.05 3615.25,3439.22 4154,3439.22 4157.86,3439.6 4161.57,3440.73 4164.99,3442.55 4167.99,3445.01 4170.45,3448.01 4172.27,3451.43 4173.4,3455.14 4173.78,3459 4173.78,3900 4173.4,3903.86 4172.27,3907.57 4170.45,3910.99 4167.99,3913.99 4164.99,3916.45 4161.57,3918.27 4157.86,3919.4 4154,3919.78 3615.25,3919.78 3615.25,5481.22 5840,5481.22 5843.86,5481.6 5847.57,5482.73 5850.99,5484.55 5853.99,5487.01 5865.99,5499.01 5868.45,5502.01 5870.27,5505.43 5871.4,5509.14 5871.78,5513 5871.78,6650 5871.4,6653.86 5870.27,6657.57 5868.45,6660.99 5865.99,6663.99 5855.99,6673.99 5852.99,6676.45 5849.57,6678.27 5845.86,6679.4 5842,6679.78 3615.25,6679.78 3615.25,7025.5 12171.49,7025.5
GND on L11GND (split plane): 12238.63,6958.35 12238.63,3195.19 12171.49,3128.05 3615.25,3128.05 3615.25,3439.22 4154,3439.22 4157.86,3439.6 4161.57,3440.73 4164.99,3442.55 4167.99,3445.01 4170.45,3448.01 4172.27,3451.43 4173.4,3455.14 4173.78,3459 4173.78,3900 4173.4,3903.86 4172.27,3907.57 4170.45,3910.99 4167.99,3913.99 4164.99,3916.45 4161.57,3918.27 4157.86,3919.4 4154,3919.78 3615.25,3919.78 3615.25,5481.22 5840,5481.22 5843.86,5481.6 5847.57,5482.73 5850.99,5484.55 5853.99,5487.01 5865.99,5499.01 5868.45,5502.01 5870.27,5505.43 5871.4,5509.14 5871.78,5513 5871.78,6650 5871.4,6653.86 5870.27,6657.57 5868.45,6660.99 5865.99,6663.99 5855.99,6673.99 5852.99,6676.45 5849.57,6678.27 5845.86,6679.4 5842,6679.78 3615.25,6679.78 3615.25,7025.5 12171.49,7025.5

## Keep-outs
Keep-Out Layer:
  region: 11707.17,5008.08 12236.22,5008.08 12236.22,5145.87 11707.17,5145.87
  lines w7.87: 3595.47,3509.84 3595.47,3108.27 12179.69,3108.27 12258.4,3187 12258.41,6966.54 12179.69,7045.28 3595.47,7045.28 3595.47,5929.13

## Other copper
Top Layer:
  rectangle net P3V3: 10898,6864 10947,6918
  text ".Layer_Name" at 6375.2,1833.27 h75
  text "1" at 6800.2,1283.27 h100
L3:
  text "Signal" at 6383.86,1831.69 h74.8
  text "3" at 7200.2,1283.27 h100
L5:
  text "Signal" at 6383.86,1831.69 h74.8
  text "5" at 7600.2,1283.27 h100
L8:
  text "Signal" at 7879.92,1831.69 h74.8
  text "6" at 8199.8,1283.27 h100
L10:
  text "Signal" at 7875.2,1833.27 h74.8
  text "8" at 8557.09,1284.45 h100
Bottom Layer:
  text ".Layer_Name" at 7875.2,1833.27 h75
  text "10" at 8958.66,1280.51 h100
L2GND (plane layer: these items are gaps in the copper):
  rectangle: 7125.2,1233.27 9135.83,1434.06
  rectangle: 6725.2,1233.27 6925.2,1433.27
  text "GND" at 11325,3250 h100
  text "Ground Plane" at 7872.05,1831.69 h74.8
  text "2" at 7000.2,1283.27 h100
L4GND (plane layer: these items are gaps in the copper):
  rectangle: 7525.59,1233.27 9124.02,1433.27
  rectangle: 6725.2,1233.27 7320.87,1433.27
  lines w19.68: 7420.49,6637.8 7421.09,6637.2 ; 7425.79,6637.8 7427.17,6637.8
  text "Power Plane" at 7875.2,1833.27 h74.8
  text "4" at 7400.2,1283.27 h100
L11GND (plane layer: these items are gaps in the copper):
  rectangle: 6725.2,1233.27 8726.38,1433.27
  rectangle: 8927.17,1234.06 9126.77,1434.06
  text "GND" at 11075,3250 h100
  text "Ground Plane" at 6387.8,1823.82 h74.8
  text "9" at 8757.87,1276.57 h100
L9GND (plane layer: these items are gaps in the copper):
  rectangle: 8529.53,1234.06 9126.77,1434.06
  rectangle: 6725.2,1233.27 8325.59,1433.27
  text "V2P5" at 11075,3250 h100
  text "Power Plane" at 6383.86,1819.88 h74.8
  text "7" at 8401.38,1283.27 h100

## Silkscreen, mask and mechanical layers (free items; w line width, h text height)
Top Overlay:
  text ".Layer_Name" at 8737.4,1733.27 h75
Bottom Overlay:
  text ".Layer_Name" at 10237.4,1733.27 h75
Top Paste:
  text ".Layer_Name" at 8737.4,1533.27 h75
Bottom Paste:
  text ".Layer_Name" at 10237.4,1533.27 h75
Top Solder:
  rectangle: 3620,3132 12234,3202.76
  rectangle: 7040.35,3301.18 7060.04,3348.43
  region: 11707.17,5145.87 11707.17,5008.08 12256.89,5008.08 12256.89,5145.87
  text ".Layer_Name" at 6375.2,1633.27 h75
Bottom Solder:
  rectangle: 3620,3132 12234,3202.76
  region: 11707.17,5145.87 11707.17,5008.08 12256.89,5008.08 12256.89,5145.87
  text ".Layer_Name" at 10237.4,1633.27 h75
Mechanical 1:
  the board outline again, w3.94
Mechanical 2:
  text "Components" at 11953.35,1787.99 h75
  text ".Component_Count" at 12653.35,1787.99 h75
  text "Pins" at 11953.35,1687.99 h75
  text ".Pad_Count" at 12653.35,1687.99 h75
  text "Vias" at 11953.35,1587.99 h75
  text ".Via_Count" at 12653.35,1587.99 h75
  text "Holes" at 11953.35,1487.99 h75
  text ".Hole_Count" at 12653.35,1487.99 h75
  text "Nets" at 11953.35,1387.99 h75
  text ".Net_Count" at 12653.35,1387.99 h75
Corners:
  lines w10: 3398.23,3107.68 3595.08,3107.68 ; 3398.62,7045.28 3595.47,7045.28 3595.47,7242.13 ; 3595.47,2911.81 3595.47,3108.66 ; 6925.2,1233.27 6925.2,1433.27 ; 7125.2,1233.27 7125.2,1433.27 ; 7325.2,1233.27 7325.2,1433.27 ; 7725.59,1233.27 7725.59,1433.27 ; 7925.59,1233.27 7925.59,1433.27 ; 8125.59,1233.27 8125.59,1433.27 ; 8525.59,1233.27 8525.59,1433.27 ; 8725.59,1233.27 8725.59,1433.27 ; 8925.59,1233.27 8925.59,1433.27 ; 12258.12,2911.42 12258.12,3108.27 12454.97,3108.27 ; 12258.12,7242.12 12258.12,7045.27 12454.97,7045.27 ; 8325.59,1233.27 8325.59,1433.27 ; 8325.59,1233.27 7525.59,1233.27 7525.59,1433.27 8325.59,1433.27 ; 8325.59,1233.27 8325.59,1433.27 ; 8325.59,1233.27 9125.59,1233.27 9125.59,1433.27 8325.59,1433.27 ; 6725.2,1233.27 7525.2,1233.27 7525.2,1433.27 6725.2,1433.27 6725.2,1233.27
Notvisible:
  circle w5: c6223.82,6826.77 r53.15
  circle w5: c6255.71,3326.77 r53.15
  lines w1: 7536.7,4067.49 8198.12,4185.6 ; 7536.7,4185.6 8198.12,4067.49
  lines w1.97: 3595.47,3407.48 3595.47,3108.27 3894.68,3108.27 ; 11569.44,5076.77 12175.74,5076.77
  lines w5: 3595.47,6946.85 9894.69,6946.85 ; 3792.32,6946.85 13062.5,6946.85 ; 3792.32,7005.91 9875,7005.91 ; 6186.23,6789.19 6223.82,6826.77 6261.4,6789.19 ; 6218.12,3289.19 6255.71,3326.77 6293.29,3289.19 ; 8871.06,3147.64 8871.06,3206.69 ; 8871.06,6946.85 8871.06,7005.9 ; 10445.86,5076.77 10445.86,7045.27 ; 13500.99,3954.72 13500.99,4013.78
  lines w19.68: 3595.47,3108.27 5170.28,3108.27 5170.28,3051.18 ; 5367.13,3051.18 5367.13,3070.87 5367.13,3108.27 5458.66,3108.27 ; 10469.49,3031.5 10469.49,3108.27 ; 10666.34,3031.5 10666.34,3108.27
  lines w39.37: 11406.1,3108.27 11406.1,7045.27
  lines w50: 9993.11,3108.27 9993.11,7045.28 ; 11208.66,3086.61 11208.66,6238.19 ; 11208.66,6240.16 11208.66,7052.62
Mechanical 9:
  region: 6154.53,6870.74 6233.27,6883.86 6154.53,6896.98
  region: 6282.48,6883.86 6361.22,6870.74 6361.22,6896.98
  region: 8514.76,6885.83 8593.5,6872.7 8593.5,6898.95
  region: 8201.77,6872.7 8280.51,6885.83 8201.77,6898.95
  pour cut-out: 12507.77,2597.74 11857.77,2597.74 11857.77,2841.49 12507.77,2841.49
  pour cut-out: 3353.05,2840.06 4003.05,2840.06 4003.05,2596.31 3353.05,2596.31
  pour cut-out: 11867.77,7558.98 12067.77,7558.98 12067.77,7315.23 11867.77,7315.23
  lines w3.94: 3595.47,3002.36 3595.47,3108.66
  lines w7.87: 2910.43,3014.17 12948.82,3014.17 ; 2910.43,7140.16 12950.39,7140.16 ; 3626.22,2719.09 3800.3,2719.09 ; 3991.22,2719.09 11888.78,2719.09 ; 6075.79,6883.86 6154.53,6883.86 ; 6233.27,6750 6233.27,6998.43 ; 6233.27,6883.86 6282.48,6883.86 ; 6282.48,6850.39 6282.48,7045.67 ; 6361.22,6883.86 6550.57,6883.86 ; 8123.03,6885.83 8201.77,6885.83 ; 8280.51,6846.46 8280.51,7094.88 ; 8282.48,6885.83 8512.8,6885.83 ; 8516.73,6846.46 8516.73,7092.91 ; 8593.5,6885.83 8782.85,6885.83 ; 12075.1,2719.09 12249.17,2719.09 ; 12092.56,7372.32 12076.81,7388.07 ; 12092.56,7403.82 12076.81,7388.07 ; 12162.4,7730.71 2910.43,7730.71 2910.43,2423.62 12953.74,2423.62 ; 12555.12,6314.73 12555.12,7073.23 12555.12,7140.7 12307.75,7388.07 12076.81,7388.07 ; 12950.39,2423.62 12950.39,7730.71
  lines w10: 3359.25,3108.66 3595.47,3108.66 ; 4067.92,3065.36 4067.92,3183.47 ; 4067.91,3108.66 4067.91,7045.67 ; 4067.92,7001.97 4067.92,7120.08 ; 6233.27,3108.66 6233.27,7045.67 ; 6233.28,3065.36 6233.28,3183.47 ; 6233.28,7002.36 6233.28,7120.47 ; 8398.62,3108.66 8398.62,7045.67 ; 8398.63,3065.36 8398.63,3183.47 ; 8398.63,7002.36 8398.63,7120.47 ; 10563.98,3065.36 10563.98,3183.47 ; 10563.98,3108.66 10563.98,7045.67 ; 10563.98,7002.36 10563.98,7120.47 ; 10863.3,6844.99 10683.66,7024.63 ; 10867.13,6844.88 11347.83,6844.88 ; 12257.48,3002.36 12257.48,3108.66 ; 12533.46,3133.66 12533.46,2891.97 12480.35,2838.86 ; 10683.66,7024.63 10703.35,6965.58 10742.72,7004.95 10683.66,7024.63 ; 12480.35,2838.86 12539.41,2858.55 12500.04,2897.92 12480.35,2838.86
  text "Area Without Copper and Without Solder Mask - On Both Sides" at 6221.46,7470.87 h100
  text "6.0" at 8624.78,6917.32 h59.06
  text "1.25" at 6392.5,6915.36 h59.06
  text "NOT PLATED HOLES" at 10874.01,6870.08 h78.74
  text "Ø0.8" at 10869.09,6771.65 h78.74
  text "3x OPTICAL TARGET" at 12531.3,6060.63 h118.11 r90
  text "Ø2mm Not Drilled" at 12643.8,6060.63 h118.11 r90
  text "Dimensions are rounded to 0.1mm. Gerber data is the reference" at 12908.46,3408.66 h118.11 r90
  text "ALL DIMENSIONS ARE IN MILLIMETERS" at 12795.96,3171.16 h196.85 r90
  text "Ø3.5 ±0.05" at 12495.96,3158.66 h78.74 r90
  text "NOT PLATED HOLE" at 12570.96,3158.66 h78.74 r90
  text "Area Without Copper and Without Solder Mask - On Both Sides" at 6371.06,2809.45 h100
Mechanical 10:
  lines w13.78: 12179.68,3061.42 12180.07,3061.42 ; 12305.27,3187.01 12305.66,3187.01
  lines w94.49: 3949.8,3061.42 3548.23,3061.42 3548.23,3550.2 3555.12,3557.09 3759.84,3557.09 3784.45,3581.69 3784.45,3825.79 3980.71,4022.05 5433.07,4022.05 5433.07,5459.62 3979.9,5459.62 3784.45,5655.07 3784.45,5857.28 3759.84,5881.89 3548.23,5881.89 3548.23,7092.91 3949.8,7092.91 ; 4186.02,3061.42 6115.16,3061.42 ; 4186.02,7092.91 6115.16,7092.91 ; 6351.38,3061.42 8280.51,3061.42 ; 6351.38,7092.91 8280.51,7092.91 ; 8516.73,3061.42 10445.87,3061.42 ; 8516.73,7092.91 10445.87,7092.91 ; 10682.09,3061.42 12199.77,3061.42 12305.66,3167.31 12305.66,6860.24 ; 10682.09,7092.91 12199.37,7092.91 ; 12199.37,7092.53 12305.26,6986.64 12305.26,6860.63

## Dimensions
3736.02,3326.77 to 3736.02,6826.77 on Notvisible
3736.02,3326.77 to 3595.47,3509.84 on Notvisible
3736.02,3326.77 to 3595.47,3509.84 on Notvisible
3602.36,7047.24 to 3595.47,3509.84 on Notvisible
11967.77,7558.98 to 12950.39,7730.71 on Mechanical 9
12067.77,7437.11 to 12162.4,7730.71 on Mechanical 9
2910.43,2423.62 to 2910.43,7140.16 on Mechanical 9
2910.43,2423.62 to 3894.68,2718.9 on Mechanical 9
2910.43,2423.62 to 3500.98,2718.9 on Mechanical 9
2910.43,2423.62 to 3241.14,3108.27 on Mechanical 9
3595.47,3108.27 to 3736.02,3326.77 on Drill Drawing
3736.02,3326.77 to 3595.47,3108.27 on Drill Drawing
9107.82,3208.66 to 12175.74,3797.24 on Notvisible
9107.82,3208.66 to 12175.74,4427.16 on Notvisible
12500.98,3108.27 to 12414.96,7045.28 on Mechanical 2
3595.47,7045.28 to 12258.12,7242.12 on Mechanical 2
3595.08,3107.68 to 3595.47,3393.01 on Mechanical 2
3595.47,3393.01 to 3595.47,5853.64 on Mechanical 2
3595.47,3509.84 to 3733.26,3452.07 on Mechanical 2

## Text inside footprints (layer, text, board x,y; h text height)
J3: Top Overlay "A" at 12195.42,3159.45 h39.37 r90; Top Overlay "B" at 12140.3,3159.45 h39.37 r90; Top Overlay "C" at 12085.19,3159.45 h39.37 r90; Top Overlay "D" at 12030.07,3198.82 h39.37 r90; Top Overlay "E" at 11974.95,3198.82 h39.37 r90; Top Overlay "6" at 11390.3,3665.35 h39.37 r90; Top Overlay "5" at 11390.3,3586.61 h39.37 r90; Top Overlay "4" at 11390.3,3507.87 h39.37 r90; Top Overlay "3" at 11390.3,3429.13 h39.37 r90; Top Overlay "F" at 11919.83,3198.82 h39.37 r90; Top Overlay "G" at 11864.71,3198.82 h39.37 r90; Top Overlay "H" at 11809.6,3198.82 h39.37 r90; Top Overlay "I" at 11754.48,3208.66 h39.37 r90; Top Overlay "J" at 11699.36,3198.82 h39.37 r90; Top Overlay "K" at 11644.24,3198.82 h39.37 r90; Top Overlay "2" at 11390.3,3350.39 h39.37 r90; Top Overlay "L" at 11589.12,3198.82 h39.37 r90; Top Overlay "1" at 11390.3,3271.65 h39.37 r90; Notvisible "Top Surface of Mother Board" at 12740.7,3310.04 h19.68 r90; Notvisible "Edge of Daugher Card" at 12287.94,3355.31 h19.68 r90; Mechanical 14 "A" at 12195.42,3159.45 h39.37 r90; Mechanical 14 "B" at 12140.3,3159.45 h39.37 r90; Mechanical 14 "C" at 12085.19,3159.45 h39.37 r90; Mechanical 14 "D" at 12030.07,3198.82 h39.37 r90; Mechanical 14 "E" at 11974.95,3198.82 h39.37 r90; Mechanical 14 "6" at 11390.3,3665.35 h39.37 r90; Mechanical 14 "5" at 11390.3,3586.61 h39.37 r90; Mechanical 14 "4" at 11390.3,3507.87 h39.37 r90; Mechanical 14 "3" at 11390.3,3429.13 h39.37 r90; Mechanical 14 "F" at 11919.83,3198.82 h39.37 r90; Mechanical 14 "G" at 11864.71,3198.82 h39.37 r90; Mechanical 14 "H" at 11809.6,3198.82 h39.37 r90; Mechanical 14 "I" at 11754.48,3208.66 h39.37 r90; Mechanical 14 "J" at 11699.36,3198.82 h39.37 r90; Mechanical 14 "K" at 11644.24,3198.82 h39.37 r90; Mechanical 14 "1" at 11390.3,3271.65 h39.37 r90; Mechanical 14 "2" at 11390.3,3350.39 h39.37 r90; Mechanical 14 "L" at 11589.12,3198.82 h39.37 r90
J5: Top Overlay "1" at 11390.3,6303.15 h39.37 r90; Top Overlay "2" at 11390.3,6381.89 h39.37 r90; Top Overlay "3" at 11390.3,6460.63 h39.37 r90; Top Overlay "4" at 11390.3,6539.37 h39.37 r90; Top Overlay "5" at 11390.3,6618.11 h39.37 r90; Top Overlay "6" at 11390.3,6696.85 h39.37 r90; Top Overlay "7" at 11390.3,6775.59 h39.37 r90; Top Overlay "8" at 11390.3,6854.33 h39.37 r90; Notvisible "Top Surface of Mother Board" at 12740.7,6420.27 h19.68 r90; Notvisible "Edge of Daugher Card" at 12287.94,6465.55 h19.68 r90; Mechanical 14 "1" at 11390.3,6303.15 h39.37 r90; Mechanical 14 "L" at 11589.12,6230.31 h39.37 r90; Mechanical 14 "2" at 11390.3,6381.89 h39.37 r90; Mechanical 14 "K" at 11644.24,6230.31 h39.37 r90; Mechanical 14 "J" at 11699.36,6230.31 h39.37 r90; Mechanical 14 "3" at 11390.3,6460.63 h39.37 r90; Mechanical 14 "4" at 11390.3,6539.37 h39.37 r90; Mechanical 14 "I" at 11754.48,6240.16 h39.37 r90; Mechanical 14 "H" at 11809.6,6230.31 h39.37 r90; Mechanical 14 "G" at 11864.71,6230.31 h39.37 r90; Mechanical 14 "5" at 11390.3,6618.11 h39.37 r90; Mechanical 14 "6" at 11390.3,6696.85 h39.37 r90; Mechanical 14 "7" at 11390.3,6775.59 h39.37 r90; Mechanical 14 "8" at 11390.3,6854.33 h39.37 r90; Mechanical 14 "F" at 11919.83,6230.31 h39.37 r90; Mechanical 14 "E" at 11974.95,6230.31 h39.37 r90; Mechanical 14 "D" at 12030.07,6230.31 h39.37 r90; Mechanical 14 "C" at 12085.19,6190.94 h39.37 r90; Mechanical 14 "B" at 12140.3,6190.94 h39.37 r90; Mechanical 14 "A" at 12195.42,6190.94 h39.37 r90; Drill Drawing "Diam. 0.5mm +/-0.05" at 11535.97,5089.94 h39.37; Drill Drawing "PRESS-FIT TECHNOLOGY" at 11535.97,5030.89 h39.37
J6: Top Overlay "30" at 7897,6688 h47.24 r90; Mechanical 14 "30" at 7897,6688 h47.24 r90
J7: Top Overlay "30" at 10295,4737 h47.24 r90; Mechanical 14 "30" at 10295,4737 h47.24 r90
J8: Top Overlay "30" at 6479,6701 h47.24 r90; Mechanical 14 "30" at 6479,6701 h47.24 r90
J9: Top Overlay "30" at 10296,6702 h47.24 r90; Mechanical 14 "30" at 10296,6702 h47.24 r90
J10: Top Overlay "30" at 8864,6688 h47.24 r90; Mechanical 14 "30" at 8864,6688 h47.24 r90
J11: Top Overlay "30" at 9818,6688 h47.24 r90; Mechanical 14 "30" at 9818,6688 h47.24 r90
J12: Top Overlay "30" at 9355,6690 h47.24 r90; Mechanical 14 "30" at 9355,6690 h47.24 r90
J13: Top Overlay "30" at 10772,6689 h47.24 r90; Mechanical 14 "30" at 10772,6689 h47.24 r90
J14: Top Overlay "30" at 8406,6688 h47.24 r90; Mechanical 14 "30" at 8406,6688 h47.24 r90
J15: Top Overlay "30" at 7420,6702 h47.24 r90; Mechanical 14 "30" at 7420,6702 h47.24 r90
J16: Top Overlay "30" at 10773,4736 h47.24 r90; Mechanical 14 "30" at 10773,4736 h47.24 r90
J17: Top Overlay "30" at 6939,6703 h47.24 r90; Mechanical 14 "30" at 6939,6703 h47.24 r90